# Altium PCB 111.PcbDoc (continued)
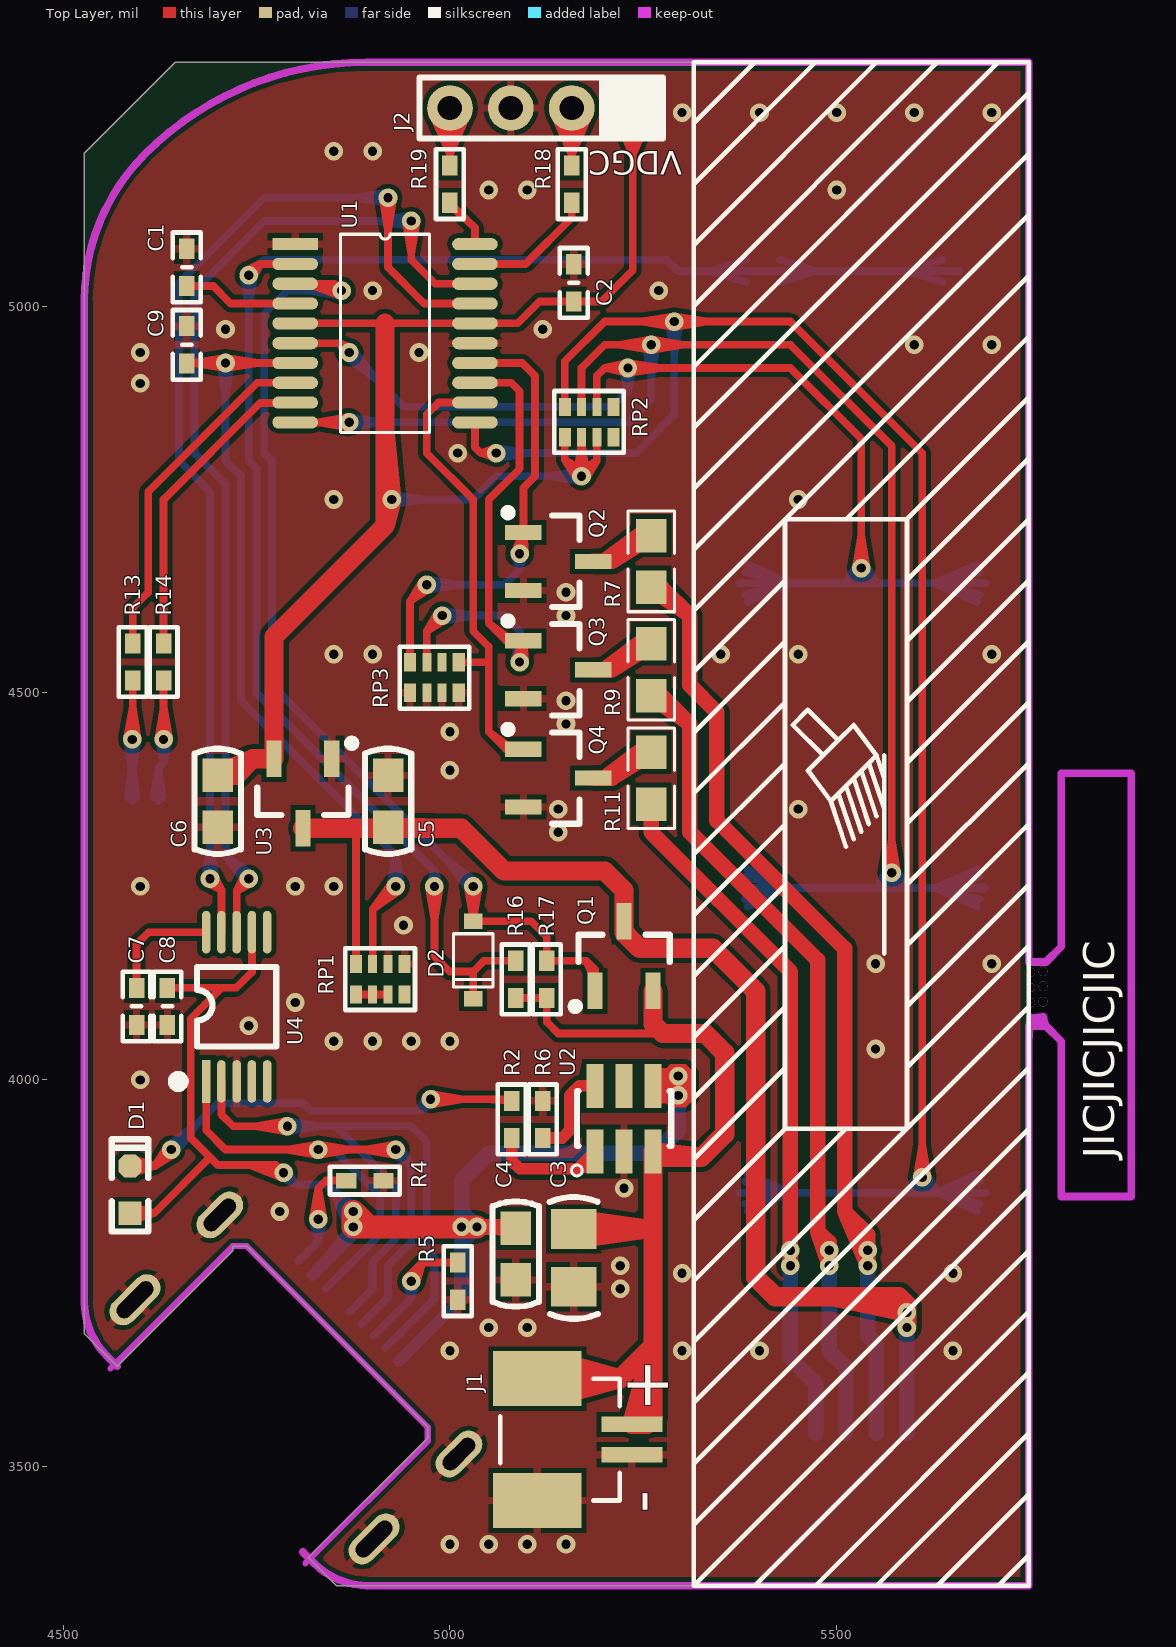
[diagram p0: Top Layer view]
## Nets (pads, with @x,y where several pads share a name; then routed paths per layer and width w, separated by ;. In a path a pad name is that pad's centre, name@x,y a point inside that pad or via, vN(x,y) a via of type N, cw(c..) or ccw(c..) an arc to the next point about the centre after c; other vN are vias at no path point) (continued)
KEY1: RP2.2 S1.2 S1.3 U1.6 | length 2720.1
  Top Layer w10: U1.6 4857.95,4952.05 ; U1.6@4821.65,4952.05 4857.95,4952.05 ; v1@4864.14,4936.17 4857.95,4952.05 ; v1(4870,4940) 4857.95,4952.05 ; v1@4873.83,4945.86 4857.95,4952.05 ; RP2.2 5189.84,4909.84 ; RP2.2@5189.84,4875.59 5189.84,4909.84 ; v1@5229.18,4913.05 5200,4920 ; v1@5229.18,4926.95 5200,4920 ; v1@5230.58,4913.02 5272,4920 v1@5230.58,4926.98 ; v1@5524.52,4662 5531.5,4703.42 v1@5538.47,4662 ; v1(5531.5,4661.42) 5531.5,4724.41 5531.5,4828.5 5440,4920 v1(5230,4920) ; 5189.84,4909.84 5200,4920 ; 5200,4920 v1(5230,4920) ; 5200,4920 v1(5230,4920)
  Bottom Layer w10: v1@4865.43,4934.7 4903.21,4906.79 v1@4875.3,4944.57 ; v1(4870,4940) 4940,4870 5210,4870 5230,4890 ; v1@5223.05,4919.18 5230,4890 ; v1@5236.95,4919.18 5230,4890 ; S1.2 5511.81,4641.73 ; S1.2@5379.92,4641.73 5439.45,4641.73 ; S1.2@5381.69,4627.31 5439.45,4641.73 ; S1.2@5381.69,4656.15 5439.45,4641.73 ; S1.2@5384.97,4617.73 5439.45,4641.73 ; S1.2@5384.97,4665.73 5439.45,4641.73 ; v1@5525.96,4665.71 5511.81,4641.73 ; v1@5527.21,4655.88 5551.18,4641.73 ; v1@5535.78,4655.88 5511.81,4641.73 ; v1@5537.03,4665.71 5551.18,4641.73 ; S1.3@5681.06,4617.73 5626.58,4641.73 ; S1.3@5681.06,4665.73 5626.58,4641.73 ; S1.3@5684.34,4627.31 5626.58,4641.73 ; S1.3@5684.34,4656.15 5626.58,4641.73 ; S1.3@5686.11,4641.73 5626.58,4641.73 ; S1.3 5551.18,4641.73 ; 5230,4890 v1(5230,4920) 5230,4890 ; 5511.81,4641.73 5551.18,4641.73 ; 5511.81,4641.73 v1(5531.5,4661.42) 5551.18,4641.73
KEY2: RP2.3 S2.2 S2.3 U1.10 | length 3437.8
  Top Layer w10: U1.10 v1@4870,4849.68 ; U1.10@4821.65,4849.68 v1@4859.53,4849.68 ; RP2.3 5170.16,4920.16 5200,4950 v1(5260,4950) 5440,4950 5570.87,4819.13 5570.87,4803.15 v1(5570.87,4267.72) ; RP2.3@5170.16,4875.59 5170.16,4911.5 ; v1@5259.42,4943.02 5218,4950 v1@5259.42,4956.98 ; v1@5260.58,4943.02 5302,4950 v1@5260.58,4956.98 ; v1@5563.89,4268.3 5570.87,4309.72 v1@5577.84,4268.3 ; U1.10@4828,4849.68 v1(4870,4850) U1.10@4827.98,4849.68 ; U1.10@4828,4849.68 4869.36,4856.97 U1.10@4827.98,4849.68 ; U1.10@4828,4849.68 4869.47,4843.02 U1.10@4827.98,4849.68
  Bottom Layer w10: v1(4870,4850) 5230,4850 5260,4880 v1(5260,4950) ; v1@4870.58,4843.02 4912,4850 v1@4870.58,4856.98 ; v1@5253.02,4949.42 5260,4908 v1@5266.98,4949.42 ; S2.2 5551.18,4248.03 ; S2.2@5379.92,4248.03 5439.45,4248.03 ; S2.2@5381.69,4233.61 5439.45,4248.03 ; S2.2@5381.69,4262.45 5439.45,4248.03 ; S2.2@5384.97,4224.03 5439.45,4248.03 ; S2.2@5384.97,4272.03 5439.45,4248.03 ; v1@5565.33,4272 5551.18,4248.03 ; v1@5566.58,4262.18 5590.55,4248.03 ; v1@5575.15,4262.18 5551.18,4248.03 ; v1@5576.4,4272 5590.55,4248.03 ; S2.3@5681.06,4224.03 5626.58,4248.03 ; S2.3@5681.06,4272.03 5626.58,4248.03 ; S2.3@5684.34,4233.61 5626.58,4248.03 ; S2.3@5684.34,4262.45 5626.58,4248.03 ; S2.3@5686.11,4248.03 5626.58,4248.03 ; S2.3 5590.55,4248.03 ; 5551.18,4248.03 5590.55,4248.03 ; 5551.18,4248.03 v1(5570.87,4267.72) 5590.55,4248.03
KEY3: RP2.4 S3.2 S3.3 U1.11 | length 3595.2
  Top Layer w10: v1@5058.77,4803.11 5040,4810 ; v1@5058.77,4816.89 5040,4810 ; RP2.4 5148.5,4928.5 5200,4980 v1(5290,4980) 5440,4980 5610.24,4809.76 v1(5610.24,3874.02) ; RP2.4@5148.5,4873.62 5148.5,4911.5 ; v1@5289.42,4973.02 5248,4980 v1@5289.42,4986.98 ; v1@5290.58,4973.02 5332,4980 v1@5290.58,4986.98 ; v1@5603.26,3874.6 5610.24,3916.02 v1@5617.21,3874.6 ; 5032.28,4817.72 U1.11 5032.28,4817.72 ; 5032.28,4817.72 5040,4810 ; 5040,4810 v1(5060,4810) 5040,4810
  Bottom Layer w10: v1(5060,4810) 5240,4810 5290,4860 v1(5290,4980) ; v1@5060.58,4803.02 5102,4810 v1@5060.58,4816.98 ; v1@5283.02,4979.42 5290,4938 v1@5296.98,4979.42 ; S3.2 5590.55,3854.33 ; S3.2@5379.92,3854.33 5439.45,3854.33 ; S3.2@5381.69,3839.91 5439.45,3854.33 ; S3.2@5381.69,3868.75 5439.45,3854.33 ; S3.2@5384.97,3830.33 5439.45,3854.33 ; S3.2@5384.97,3878.33 5439.45,3854.33 ; v1@5604.7,3878.3 5590.55,3854.33 ; v1@5605.95,3868.48 5629.92,3854.33 ; v1@5614.52,3868.48 5590.55,3854.33 ; v1@5615.77,3878.3 5629.92,3854.33 ; S3.3@5680.76,3830.39 5629.92,3854.33 ; S3.3@5680.76,3878.27 5629.92,3854.33 ; S3.3@5684.23,3839.93 5629.92,3854.33 ; S3.3@5684.23,3868.74 5629.92,3854.33 ; S3.3@5686.11,3854.33 5629.92,3854.33 ; S3.3 5629.92,3854.33 ; 5590.55,3854.33 5629.92,3854.33 ; 5590.55,3854.33 v1(5610.24,3874.02) 5629.92,3854.33
LED1: R14.1 U1.9 | length 471.4
  Top Layer w10: R14.1 4630,4750 4754.87,4874.87 ; R14.1@4630,4567 4630,4607 ; U1.9@4778.35,4875.28 4754.87,4874.87 ; U1.9 4799.59,4874.87 4754.87,4874.87
LED2: R13.1 U1.8 | length 520.1
  Top Layer w10: R13.1 4590,4610 4610,4630 4610,4760 4750.87,4900.87 ; R13.1@4590,4567 4590,4607 ; U1.8@4778.35,4900.87 4750.87,4900.87 ; U1.8 4750.87,4900.87
NetC1_1: C1.1 U1.4 | length 187.3
  Top Layer w10: C1.1 4694,5026 4716.77,5003.23 U1.4 ; 4740.47,5003.23 U1.4@4778.35,5003.23
NetC7_2: C7.2 U4.10 | length 218.2
  Top Layer w10: C7.2@4595,4122 4595,4162 ; C7.2@4595,4129 4595,4175 4610.94,4190.94 U4.10 4649.53,4190.94
NetD1_2: D1.2 R2.2 | length 953
  Top Layer w10: D1.2 4618.86,3888.86 ; D1.2@4588.17,3878.98 4618.86,3888.86 ; D1.2@4588.17,3898.73 4618.86,3888.86 ; v1@4634.5,3914.34 4618.86,3888.86 ; v1@4644.34,3904.5 4618.86,3888.86 ; v1(4975,3975) 5078,3975 R2.2 5039.8,3975 ; v1@4975.58,3968.02 5017,3975 v1@4975.58,3981.98 ; 4618.86,3888.86 v1(4640,3910) 4618.86,3888.86
  Bottom Layer w10: v1@4635.43,3915.3 4673.21,3943.21 v1@4645.3,3905.43 ; v1(4640,3910) 4700,3970 4810,3970 4820,3960 4960,3960 ; v1@4969.3,3979.07 4960,3960 ; v1(4975,3975) 4960,3960 ; v1@4979.07,3969.3 4960,3960
NetJ2_2: J2.2 R18.1 | length 716.3
  Top Layer w10: J2.2@5134.9,5246.33 5157.48,5224.48 ; J2.2@5143.35,5252.55 5157.48,5224.48 ; R18.1 J2.2 ; R18.1@5157.48,5184.48 5157.48,5224.48 ; J2.2@5171.61,5252.55 5157.48,5224.48 ; J2.2@5180.06,5246.33 5157.48,5224.48 ; 5157.48,5196.38 5143.06,5254.13 5157.48,5196.38 ; 5157.48,5196.38 5171.9,5254.13 5157.48,5196.38 ; 5157.48,5196.38 5133.48,5250.85 5157.48,5196.38 ; 5157.48,5196.38 5181.48,5250.85 5157.48,5196.38
NetJ2_4: J2.4 R19.1 | length 716.3
  Top Layer w10: J2.4@4977.42,5246.33 5000,5224.48 ; J2.4@4985.87,5252.55 5000,5224.48 ; R19.1 J2.4 ; R19.1@5000,5184.48 5000,5224.48 ; J2.4@5014.13,5252.55 5000,5224.48 ; J2.4@5022.58,5246.33 5000,5224.48 ; 5000,5196.38 4985.58,5254.13 5000,5196.38 ; 5000,5196.38 5014.42,5254.13 5000,5196.38 ; 5000,5196.38 4976,5250.85 5000,5196.38 ; 5000,5196.38 5024,5250.85 5000,5196.38
NetLED1_1: LED1.1 R13.2 | length 527.8
  Top Layer w10: v1@4582.59,4440.66 4590,4482.01 ; v1(4589.56,4440) 4590,4482.01 ; v1@4590,4440.44 R13.2 ; 4590,4473 R13.2@4590,4513 ; v1@4596.54,4440.51 4590,4482.01
  Bottom Layer w10: v1@4582.58,4439.42 4589.56,4398 v1@4596.54,4439.42 ; LED1.1@4583.75,4365.57 4589.56,4405.98 ; LED1.1 v1(4589.56,4440) ; LED1.1@4589.56,4365.15 4589.56,4405.98 ; LED1.1@4595.37,4365.57 4589.56,4405.98
NetLED1_2: LED1.2 R14.2 | length 456.3
  Top Layer w10: v1@4623.02,4440.58 4630,4482 v1@4636.98,4440.58 ; v1(4630,4440) R14.2 ; 4630,4473 R14.2@4630,4513
  Bottom Layer w10: LED1.2@4617.22,4365.6 4623.03,4403.03 ; LED1.2 4623.03,4403.03 ; LED1.2@4623.03,4365.15 4623.03,4403.03 ; v1@4623.05,4439.18 4630,4410 ; LED1.2@4628.83,4365.6 4623.03,4403.03 ; v1(4630,4440) 4630,4410 ; v1@4636.95,4439.18 4630,4410 ; 4623.03,4403.03 4630,4410
NetQ2_3: Q2.3 R7.1 | length 306.3
  Top Layer w20: Q2.3 5210,4670 ; R7.1 R7.1@5243.46,4703.46 ; Q2.3@5198.78,4670 5210,4670 ; Q2.3@5198.78,4670 5210,4670 ; Q2.3@5198.78,4670 5260,4701.5 5210,4670 ; Q2.3@5198.78,4670 5210,4670 ; Q2.3@5198.78,4670 R7.1@5243.46,4703.46 ; 5210,4670 R7.1@5243.46,4703.46
NetQ3_3: Q3.3 R9.1 | length 306.3
  Top Layer w20: Q3.3 5210,4530 ; R9.1 R9.1@5243.46,4563.46 ; Q3.3@5198.78,4530 5210,4530 ; Q3.3@5198.78,4530 5210,4530 ; Q3.3@5198.78,4530 5260,4561.5 5210,4530 ; Q3.3@5198.78,4530 5210,4530 ; Q3.3@5198.78,4530 R9.1@5243.46,4563.46 ; 5210,4530 R9.1@5243.46,4563.46
NetQ4_3: Q4.3 R11.1 | length 306.3
  Top Layer w20: Q4.3 5210,4390 ; R11.1 R11.1@5243.46,4423.46 ; Q4.3@5198.78,4390 5210,4390 ; Q4.3@5198.78,4390 5210,4390 ; Q4.3@5198.78,4390 5260,4421.5 5210,4390 ; Q4.3@5198.78,4390 5210,4390 ; Q4.3@5198.78,4390 R11.1@5243.46,4423.46 ; 5210,4390 R11.1@5243.46,4423.46
NetR2_1: R2.1 U2.1 | length 201.3
  Top Layer w15: R2.1@5080,3922 5080,3895 ; R2.1 5080,3895 ; U2.1@5187.6,3889.96 5164.92,3885 ; U2.1 5164.92,3885 ; 5080,3895 5090,3885 5164.92,3885
NetR4_1: R4.1 USB1.CC2 | length 363.1
  Top Layer w10: v1@4823.03,3820.61 4830,3860 ; v1(4830,3820) 4830,3860 ; v1@4836.97,3820.61 4830,3860 ; R4.1@4863,3870 4840,3870 ; R4.1@4870,3870 4840,3870 ; 4830,3860 4840,3870
  Bottom Layer w10: USB1.CC2 4830,3791.51 ; USB1.CC2@4811.9,3773.41 4830,3791.51 ; v1@4823.05,3819.14 4830,3791.51 ; v1@4836.95,3819.14 4830,3791.51 ; 4830,3791.51 v1(4830,3820) 4830,3791.51
NetR5_1: R5.1 USB1.CC1 | length 353.3
  Top Layer w10: v1@4944.45,3744.26 4964,3764 ; v1@4956.44,3737.26 4964,3764 ; R5.1 4964,3764 ; 4964,3764 v1(4950,3740) 4950,3750 4964,3764
  Bottom Layer w10: USB1.CC1 4950,3718.03 ; USB1.CC1@4908.64,3676.67 4934.73,3702.75 ; v1@4943.09,3738.89 4950,3718.03 ; v1@4956.91,3738.89 4950,3718.03 ; 4950,3718.03 v1(4950,3740) 4950,3718.03
NetR6_2: R6.2 U2.6 | length 121.8
  Top Layer w15: R6.2 5145,3925 5155,3935 5155,3980 5167.32,3992.32 U2.6
NetRP1_5: RP1.5 RP1.6 RP1.7 | length 61
  Top Layer w10: RP1.5 RP1.6 ; RP1.6 RP1.7 RP1.6
PWEN: D2.A Q1.1 R17.1 U1.3 | length 2057.7
  Top Layer w10: U1.3 4851.18,5028.82 ; v1@4857.83,5013.34 U1.3@4821.65,5028.82 ; v1@4858.09,5013.27 U1.3@4816.08,5028.82 ; v1@4860.84,5026.95 U1.3@4816.08,5028.82 ; v1@4860.96,5026.93 U1.3@4821.65,5028.82 ; v1@5023.02,4249.42 D2.A@5030,4208 ; D2.A@5031.97,4205 5071.81,4205 ; v1@5036.98,4249.42 D2.A@5030,4208 ; R17.1@5125,4157 5125,4185 ; Q1.1 5187.6,4142.4 ; U1.3@4816.08,5028.82 v1(4860,5020) ; U1.3@4821.65,5028.82 v1(4860,5020) ; U1.3@4821.65,5028.82 4851.18,5028.82 ; 4851.18,5028.82 v1(4860,5020) ; D2.A@5030,4208 v1(5030,4250) D2.A 5105,4205 5125,4185 ; 5125,4185 R17.1 5176,4154 ; 5176,4154 Q1.1@5187.6,4128.78 ; 5176,4154 5187.6,4142.4 ; Q1.1@5187.6,4128.78 5187.6,4142.4 ; Q1.1@5187.6,4128.78 5187.6,4142.4
  Bottom Layer w10: v1@4859.42,5013.02 4818,5020 v1@4859.42,5026.98 ; v1(4860,5020) 4790,5020 4760,4990 4760,4810 4770,4800 4770,4510 v1(5030,4250) 4996.79,4283.21 ; v1@5024.7,4245.43 4996.79,4283.21 ; v1@5034.57,4255.3 4996.79,4283.21
PWK: D2.K R16.1 SW0.2 SW0.3 U1.2 | length 2960.7
  Top Layer w10: v1@4735.97,5045.73 4754.41,5054.41 ; v1(4740,5040) 4754.41,5054.41 ; v1@4745.73,5035.97 4754.41,5054.41 ; U1.2@4778.35,5054.41 4754.41,5054.41 ; U1.2 4754.41,5054.41 ; v1@4973.02,4249.42 4980,4208 v1@4986.98,4249.42 ; v1(4980,4250) 4980,4160 5000,4140 5030,4140 ; D2.K 5030,4140 ; R16.1 5044,4154 5030,4140
  Bottom Layer w10: v1@4733.02,5039.42 4740,4998 ; v1@4735.7,5045.52 4760,5060 ; v1@4745.52,5035.7 4760,5060 ; v1@4746.98,5039.42 4740,4998 ; 4750,4510 4750,4500 ; v1@4973.11,4251.23 4980,4270 ; v1(4980,4250) 4980,4270 ; v1@4986.89,4251.23 4980,4270 ; SW0.3@5382.67,5030.75 5335.16,5045.28 ; SW0.3@5382.67,5059.8 5335.16,5045.28 ; SW0.3@5384.84,5045.28 5335.16,5045.28 ; SW0.3@5424.21,5045.28 5473.9,5045.28 ; SW0.3@5426.38,5030.75 5473.9,5045.28 ; SW0.3@5426.38,5059.8 5473.9,5045.28 ; SW0.2@5636.61,5030.75 5589.09,5045.28 ; SW0.2@5636.61,5059.8 5589.09,5045.28 ; SW0.2@5638.78,5045.28 5589.09,5045.28 ; SW0.2 SW0.3 5294.72,5045.28 5280,5060 4760,5060 ; 4740,4998 v1(4740,5040) ; v1(4740,5040) 4740,4800 4750,4790 4750,4500 ; v1(4740,5040) 4760,5060 ; 4750,4500 4980,4270
RED: Q2.1 RP3.8 U1.14 | length 954.8
  Top Layer w10: RP3.8 4948.5,4618.5 ; RP3.8@4948.5,4543.62 4948.5,4581.5 ; v1@4964.51,4644.35 4948.5,4618.5 ; v1@4974.35,4634.51 4948.5,4618.5 ; U1.14 5093.54,4926.46 5110,4910 5110,4780 5095,4765 Q2.1 ; U1.14@5053.94,4926.46 5091.81,4926.46 ; v1@5083.33,4682.11 Q2.1 ; v1@5096.99,4679.62 Q2.1 ; 4948.5,4618.5 v1(4970,4640) 4948.5,4618.5 ; Q2.1 v1(5090,4680) 5095,4685 Q2.1
  Bottom Layer w10: v1(4970,4640) 5070,4640 5090,4660 ; v1@4970.58,4633.02 5012,4640 v1@4970.58,4646.98 ; v1@5083.11,4678.77 5090,4660 ; v1(5090,4680) 5090,4660 ; v1@5096.89,4678.77 5090,4660
RED1: P1.2 R7.2 | length 1546.8
  Top Layer w20: R7.2@5260,4634.57 5310,4600 ; R7.2 5273.46,4636.54 5310,4600 ; 5310,4600 5310,4510 5345,4475 5345,4335 5510,4170 5510,3830 ; 5510,3830 v1(5540,3760) ; 5510,3830 v1(5540,3780) ; 5510,3830 5540,3800 ; v1(5540,3760) v1(5540,3780) ; v1(5540,3760) v1(5540,3780) ; v1(5540,3780) 5540,3800 ; v1(5540,3780) 5540,3800
  Bottom Layer w20: v1(5540,3780) v1(5540,3760) 5540,3670 5551.18,3658.82 P1.2 ; P1.2@5551.18,3572.83 5551.18,3642.68
RXD: U1.18 U4.8 | length 1727.2
  Top Layer w10: U4.8 4724.41,4244.41 ; U4.8@4724.41,4212.99 4724.41,4244.41 ; v1@4734.33,4264.1 4724.41,4244.41 ; v1(4740,4260) 4724.41,4244.41 ; v1@4744.1,4254.33 4724.41,4244.41 ; v1@4943.02,5109.42 4950,5068 v1@4956.98,5109.42 ; v1(4950,5110) 4950,5060 4981.18,5028.82 ; U1.18@5010.63,5028.82 4981.18,5028.82 ; U1.18 4981.18,5028.82
  Bottom Layer w10: v1@4734.66,4255.48 4710,4290 ; v1@4744.52,4265.34 4710,4290 ; v1@4949.42,5103.02 4908,5110 v1@4949.42,5116.98 ; v1(4950,5110) 4760,5110 4670,5020 4670,4810 4710,4770 4710,4290 ; 4710,4290 v1(4740,4260) 4710,4290
TXD: U1.17 U4.9 | length 1762.7
  Top Layer w10: v1@4685.95,4254.29 4704.72,4245.28 ; v1(4690,4260) 4704.72,4245.28 ; v1@4695.71,4264.05 4704.72,4245.28 ; U4.9 4704.72,4245.28 ; U4.9@4704.72,4212.99 4704.72,4245.28 ; v1@4913.02,5139.42 4920,5098 v1@4926.98,5139.42 ; v1(4920,5140) 4920,5050 4966.77,5003.23 U1.17 ; 4972.76,5003.23 U1.17@5010.63,5003.23
  Bottom Layer w10: v1@4683.02,4260.58 4690,4302 v1@4696.98,4260.58 ; v1(4690,4260) 4690,4760 4650,4800 4650,5030 4760,5140 v1(4920,5140) ; v1@4919.42,5133.02 4878,5140 v1@4919.42,5146.98
VB: C5.2 P1.1 Q1.3 RP1.4 U3.3 | length 2110.8
  Top Layer w10: RP1.4 4878.5,4323.5 4880,4325 ; RP1.4@4878.5,4153.62 4878.5,4191.5 ; C5.2@4920,4325 C5.2
  Top Layer w25: U3.3 4880,4325 ; 5014.72,4325 C5.2 4880,4325 ; Q1.3@5225,4191.22 5245,4170 ; Q1.3@5225,4218.78 5225,4245 ; 5492.99,3720 v1(5590.55,3699.45) ; 4880,4325 4920,4325 5015,4325 5070,4270 5200,4270 5225,4245 ; 5225,4245 Q1.3 5225,4190 5245,4170 ; 5245,4170 5340,4170 5395,4115 5395,3745 5420,3720 5580,3720 ; 5580,3720 v1(5590.55,3699.45) ; 5580,3720 v1(5590.55,3699.45) ; 5580,3720 5590.55,3709.45 v1(5590.55,3680) v1(5590.55,3699.45)
  Bottom Layer w20: P1.1 v1(5590.55,3680) v1(5590.55,3699.45) ; P1.1@5590.55,3572.83 5590.55,3642.68
VBAT: C3.2 J1.0@5112.95,3614.06 J1.1 Q1.2 R16.2 R17.2 U2.3 | length 2242.9
  Top Layer w10: R16.2 R17.2 5125,4075 ; R17.2@5125,4103 5125,4075 ; 5275,4060 5140,4060 5125,4075
  Top Layer w25: J1.0@5086.38,3614.06 5220,3614.06 ; J1.0@5134.61,3614.06 5220,3614.06 ; J1.0@5137.69,3591.33 5220,3614.06 ; J1.0@5137.69,3636.78 5220,3614.06 ; C3.2 C3.2@5170,3807.4 ; C3.2@5163.94,3807.4 5255,3807.4 ; C3.2@5164.88,3794.34 5255,3807.4 ; C3.2@5164.88,3820.46 5255,3807.4 ; C3.2@5165,3812.4 C3.2@5170,3807.4 ; C3.2@5177.4,3800 C3.2@5170,3807.4 ; 5262.4,3804.13 U2.3@5262.4,3889.96 ; Q1.2@5262.4,4101.22 5262.4,4072.6 ; Q1.2 5262.4,4072.6 ; C3.2@5170,3807.4 5255,3807.4 ; 5220,3614.06 5262.4,3656.46 ; J1.1 5262.4,3575 ; J1.1 5262.4,3656.46 ; J1.1 5262.4,3575 ; J1.1 5262.4,3575 ; J1.1 J1.1@5242.4,3555 ; J1.1@5242.4,3555 5262.4,3575 ; J1.1@5242.4,3555 5255,3555 5262.4,3562.4 5262.4,3575 ; 5262.4,3575 5262.4,3656.46 ; 5262.4,3656.46 U2.3 ; U2.3 5325,3900 ; U2.3 5270.08,3900 5325,3900 ; 5262.4,4072.6 5275,4060 5330,4060 5355,4035 5355,3930 5325,3900
VBUS: C4.2 C8.2 D1.1 U2.4 U4.7 USB1.VBUS | length 3510.7
  Top Layer w10: D1.1 4617.67,3827.67 ; D1.1@4588.23,3817.8 4617.67,3827.67 ; D1.1@4588.23,3837.54 4617.67,3827.67 ; C8.2 4724,4119 4744.09,4139.09 ; 4705,4119 4665,4079 4665,3925 4690,3900 ; U4.7@4744.09,4168.9 4744.09,4139.09 ; U4.7 4744.09,4139.09 ; v1@4782.96,3873.3 4740.24,3890 ; v1@4786,3886.93 4740.24,3890 ; 4617.67,3827.67 4690,3900 ; 4690,3900 4700,3890 4775,3890 v1(4785,3880) 4740.24,3890
  Top Layer w20: C4.2@5083.46,3810 v1(5035,3810) ; v1(5015,3810) v1(5035,3810) ; v1(5015,3810) v1(5035,3810) ; v1(5015,3810) C4.2 ; v1(5035,3810) C4.2 ; v1(5035,3810) C4.2
  Top Layer w30: 4913,3810 v1(5015,3810) ; v1(4875,3810) v1(4875,3830) ; v1(4875,3810) 4895,3810 ; v1(4875,3810) v1(4875,3830) ; v1(4875,3810) 4895,3810 ; v1(4875,3810) v1(4875,3830) ; v1(4875,3810) 4895,3810 ; v1(4875,3830) 4895,3810 ; v1(4875,3830) 4895,3810 ; 4895,3810 v1(5015,3810) ; v1(5015,3810) v1(5035,3810) ; v1(5035,3810) 4933,3810 v1(5035,3810)
  Bottom Layer w10: v1@4780.93,3874.3 4800,3865 ; v1(4785,3880) 4800,3865 ; v1@4790.7,3884.07 4800,3865 ; v1@4868.05,3809.2 v1@4869.7,3825.43 ; v1@4868.69,3806.96 4852.41,3848.84 ; v1@4879.57,3835.3 4841.79,3863.21 ; v1@4880.76,3813.98 4852.41,3848.84 ; v1@4880.98,3813.64 v1@4869.7,3825.43 ; 4800,3865 4840,3865 v1(4875,3830) 4841.79,3863.21 ; 4841.79,3863.21 v1@4869.7,3825.43 ; 4852.41,3848.84 v1(4875,3810) v1@4869.7,3825.43
  Bottom Layer w15: USB1.VBUS@4822.34,3747.66 4875,3800.31 v1(4875,3810) 4835.83,3761.14 ; USB1.VBUS@4827.91,3753.23 4866.69,3792 ; USB1.VBUS@4933.7,3636.3 5015,3717.6 ; USB1.VBUS@4939.27,3641.87 4978.05,3680.65
  Bottom Layer w20: 5015,3717.6 5015,3790 ; v1(5295,4005) v1(5295,3980) 5295,3935 5265,3905 5050,3905 5015,3870 5015,3830 ; 5015,3790 v1(5035,3810) ; 5015,3790 v1(5035,3810) ; 5015,3790 v1(5015,3810) ; 5015,3790 v1(5015,3810) ; 5015,3790 v1(5035,3810) ; v1(5015,3810) v1(5035,3810) ; v1(5015,3810) v1(5035,3810) ; v1(5015,3810) v1(5035,3810) ; v1(5015,3810) v1(5035,3810) ; v1(5015,3810) 5015,3830 ; v1(5015,3810) v1(5035,3810) ; v1(5015,3810) v1(5035,3810) ; v1(5015,3810) 5015,3830 ; 5015,3830 v1(5035,3810) ; 5015,3830 v1(5035,3810) ; 5015,3830 v1(5035,3810)
  Bottom Layer w30: v1(4875,3810) v1(4875,3830) v1(4875,3810)
VCC3: C2.1 C6.2 J2.1 RP2.5 RP2.6 RP2.7 U1.5 U1.16 U3.2 | length 3120.6
  Top Layer w10: U1.5 4916.14,4977.64 U1.16 5087.64,4977.64 ; U1.5@4821.65,4977.64 4859.53,4977.64 ; 4972.76,4977.64 U1.16@5010.63,4977.64 ; U1.16@5053.94,4977.64 5087.64,4977.64 ; RP2.5@5148.5,4826.38 5148.5,4801.5 ; RP2.5 5148.5,4801.5 ; v1@5164.51,4775.65 5148.5,4801.5 ; v1@5165.71,4785.53 5189.84,4799.84 ; v1@5170.16,4788.5 RP2.6@5170.16,4824.41 ; RP2.6 v1@5170.16,4780.16 ; v1@5174.35,4785.49 5148.5,4801.5 ; v1@5175.53,4775.71 5189.84,4799.84 ; RP2.7@5189.84,4824.41 5189.84,4799.84 ; RP2.7 5189.84,4799.84 ; J2.1@5212.22,5250.85 5236.22,5196.38 ; J2.1@5221.8,5254.13 5236.22,5196.38 ; J2.1 5236.22,5046.22 5196,5006 C2.1 5116,5006 5087.64,4977.64 ; J2.1@5250.64,5254.13 5236.22,5196.38 ; J2.1@5260.22,5250.85 5236.22,5196.38 ; 5148.5,4801.5 v1(5170,4780) ; v1(5170,4780) RP2.6@5170.16,4822 ; v1(5170,4780) RP2.6@5170.16,4822 ; v1(5170,4780) 5189.84,4799.84 ; v1(5170,4780) v1@5170.16,4780.16 ; v1@5170.16,4780.16 5189.84,4799.84 ; RP2.6@5170.16,4822 5176.98,4780.56 RP2.6@5170.16,4822 ; RP2.6@5170.16,4822 5163.03,4780.61 RP2.6@5170.16,4822
  Top Layer w25: C6.2@4700,4395.43 4745,4415 ; U3.2@4772.6,4428.78 4772.6,4513.62 ; 4916.14,4839.64 v1(4925,4750) 4916.14,4716.14 ; 4916.14,4977.64 4916.14,4716.14 ; 4723.46,4393.46 C6.2 4723.46,4393.46 ; 4723.46,4393.46 4745,4415 ; 4745,4415 U3.2 4772.6,4572.6 4916.14,4716.14
  Bottom Layer w10: v1(4925,4750) 4967,4750 ; v1@4925.58,4743.02 4967,4750 ; v1@4925.58,4756.98 4967,4750 ; v1@4930,4750 5030,4750 5060,4780 v1(5170,4780) ; v1@5169.42,4773.02 5128,4780 v1@5169.42,4786.98
pads on no net: P1.0 RP1.8 RP2.1 RP2.8 RP3.6 U2.5 U4.4 U4.5 U4.6 USB1.SBU1 USB1.SBU2
copper on no net:
  other v2: 5750,4080 5766.38,4081.5 5750,4099.69 5766.38,4101.18 5750,4119.37 5766.38,4120.87 5750,4139.06 5766.38,4140.55

## Polygon pours and split planes (outlines as drawn)
GND on Bottom Layer "Top Overlay-No Net" (solid, remove dead copper, pour order 4): 4500,5360 4510,5350 4510,3300 5770,3300 5770,5370
GND on Top Layer "Top Overlay-No Net" (solid, remove dead copper, pour order 6): 4500,5390 4500,3280 4520,3300 5780,3300 5780,5390

## Keep-outs
Keep-Out Layer:
  lines w10: 4527.56,3740.16 4527.56,4921.26 4527.56,5006.76 cw(c4796.39,5006.76) 4606.3,5196.85 cw(c4891.44,4911.71) 4891.44,5314.96 5314.96,5314.96 5748.03,5314.96 5748.03,4152.36 5770.31,4152.36 5790,4172.05 5790,4396.46 5880.55,4396.46 5880.55,3849.21 5790,3849.21 5790,4050 5770.31,4069.69 ; 4527.56,3760 4527.56,3713.86 ccw(c4627.56,3713.86) 4556.85,3643.15 4570,3630 ; 4810,3390 4824.25,3375.75 ccw(c4894.96,3446.46) 4894.96,3346.46 4950,3346.46 ; 4891.44,3346.46 5314.96,3346.46 5748.03,3346.46 5748.03,4069.69 ; 5748.03,4048.03 5750,4080 ; 5748.03,4069.69 5750,4080 ; 5748.03,4069.69 5750,4080 ; 5748.03,4069.69 5770.31,4069.69 ; 5750,4080 5766.38,4081.5 5770.31,4069.69 ; 5750,4080 5770.31,4069.69

## Other copper
Top Layer:
  region net VBUS: 5285,4020 5305,4020 5315,4010 5315,3975 5305,3965 5285,3965 5280,3970 5260,3970 5260,4015 5280,4015
  pour cut-out: 5760,4200 5750.86,4209.14 5736.82,4209.14 5736.82,4031.22 5748.03,4020 5790,4020
Bottom Layer:
  pour cut-out: 5760,4200 5750.86,4209.14 5736.82,4209.14 5736.82,4031.22 5748.03,4020 5790,4020

## Silkscreen, mask and mechanical layers (free items; w line width, h text height)
Top Overlay:
  lines w6: 5314.96,3425.2 5748.03,3858.27 ; 5314.96,3503.94 5748.03,3937.01 ; 5314.96,3582.68 5748.03,4015.75 ; 5314.96,3661.42 5748.03,4094.49 ; 5314.96,3740.16 5511.81,3937.01 ; 5314.96,3818.9 5433.07,3937.01 ; 5314.96,3897.64 5433.07,4015.75 ; 5314.96,3976.38 5433.07,4094.49 ; 5314.96,4055.12 5433.07,4173.23 ; 5314.96,4133.86 5433.07,4251.97 ; 5314.96,4212.6 5433.07,4330.71 ; 5314.96,4291.34 5433.07,4409.45 ; 5314.96,4370.08 5433.07,4488.19 ; 5314.96,4448.82 5433.07,4566.93 ; 5314.96,4527.56 5433.07,4645.67 ; 5314.96,4606.3 5748.03,5039.37 ; 5314.96,4685.04 5748.03,5118.11 ; 5314.96,4763.78 5748.03,5196.85 ; 5314.96,4842.52 5748.03,5275.59 ; 5314.96,4921.26 5708.66,5314.96 ; 5314.96,5000 5629.92,5314.96 ; 5314.96,5078.74 5551.18,5314.96 ; 5314.96,5157.48 5472.44,5314.96 ; 5314.96,5236.22 5393.7,5314.96 ; 5393.7,3346.46 5748.03,3700.79 ; 5472.44,3346.46 5748.03,3622.05 ; 5482.28,4419.29 5442.91,4458.66 5462.6,4478.35 5501.97,4438.98 ; 5501.97,4370.08 5521.65,4311.02 ; 5511.81,4301.18 5492.13,4360.24 ; 5511.81,4379.92 5531.5,4320.87 ; 5511.81,4724.41 5748.03,4960.63 ; 5521.65,4389.76 5541.34,4330.71 ; 5531.5,4399.61 5551.18,4340.55 ; 5551.18,3346.46 5748.03,3543.31 ; 5561.02,4163.39 5561.02,4419.29 ; 5561.02,4350.39 5541.34,4409.45 ; 5561.02,4389.76 5551.18,4419.29 ; 5590.55,4015.75 5748.03,4173.23 ; 5590.55,4094.49 5748.03,4251.97 ; 5590.55,4173.23 5748.03,4330.71 ; 5590.55,4251.97 5748.03,4409.45 ; 5590.55,4330.71 5748.03,4488.19 ; 5590.55,4409.45 5748.03,4566.93 ; 5590.55,4488.19 5748.03,4645.67 ; 5590.55,4566.93 5748.03,4724.41 ; 5590.55,4645.67 5748.03,4803.15 ; 5629.92,3346.46 5748.03,3464.57 ; 5708.66,3346.46 5748.03,3385.83 ; 5748.03,3779.53 5314.96,3346.46 ; 5748.03,4881.89 5590.55,4724.41 ; 5314.96,3346.46 5314.96,5314.96 5748.03,5314.96 5748.03,3346.46 5314.96,3346.46 ; 5433.07,3937.01 5472.44,3937.01 5590.55,3937.01 5590.55,4724.41 ; 5433.07,3937.01 5433.07,4724.41 5590.55,4724.41 ; 5492.13,4360.24 5541.34,4409.45 ; 5492.13,4360.24 5462.6,4399.61 5501.97,4438.98 ; 5501.97,4438.98 5521.65,4458.66 5551.18,4419.29 ; 5541.34,4409.45 5551.18,4419.29
  text "VDGC" at 5300,5200 h30 r180
  text "JICJICJICJIC" at 5858.65,3898.03 h40 r90
  text "+" at 5230,3640 h60 r270
  text "-" at 5230,3470 h60 r270
Bottom Overlay:
  drawing of 686 lines, arcs and shapes, not listed
  text "A" at 4605,4665.08 h40 r90
  text "D" at 4665,4665.08 h40 r90
  text "nalog" at 4605,4625.08 h30 r90
  text "ragon" at 4665,4625.08 h30 r90